# Altium PCB BreakOutBoard_Cyclone.PcbDoc (part 3 of 6)
Units mm, origin at the board's own origin, x right, y up, seen from the top; angles counter-clockwise.
Board outline 360 x 235.6 mm, 2 copper layers (Top Layer, Bottom Layer); 147 components, 204 nets, 2829 pads, 66 vias.
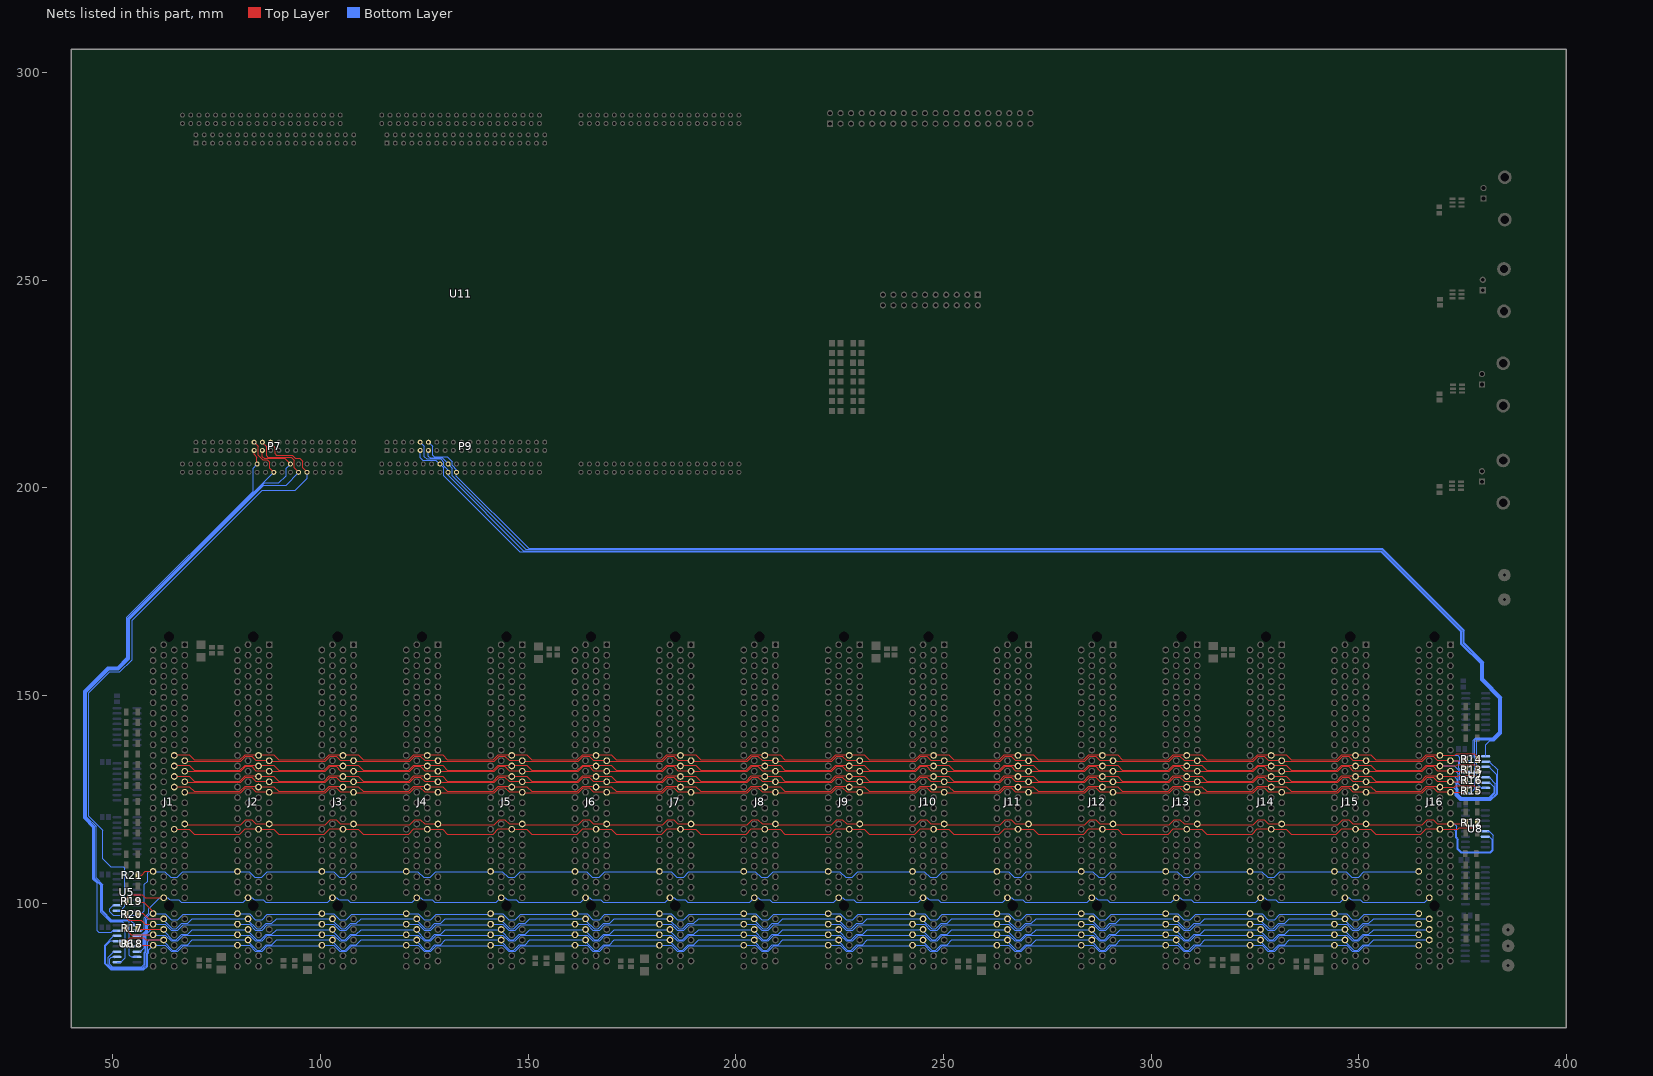
[diagram p3: the nets of this part, all layers, seen from the top]

## Via types
v1: diameter 0.6, hole 0.3, Top Layer to Bottom Layer, 50 vias
v2: diameter 5.5, hole 4.5, Top Layer to Bottom Layer, 15 vias
v3: diameter 1, hole 0.5, Top Layer to Bottom Layer, 1 vias

## Nets (pads, with @x,y where several pads share a name; then routed paths per layer and width w, separated by ;. In a path a pad name is that pad's centre, name@x,y a point inside that pad or via, vN(x,y) a via of type N, cw(c..) or ccw(c..) an arc to the next point about the centre after c; other vN are vias at no path point) (continued)
BUS11_N: J1.35 J2.35 J3.35 J4.35 J5.35 J6.35 J7.35 J8.35 J9.35 J10.35 J11.35 J12.35 J13.35 J14.35 J15.35 J16.35 R12.1 U8.6 | length 338.8
  Top Layer w0.127: J1.35@67.506,118.906 80.835,118.906 82.032,120.103 83.436,120.103 84.437,119.102 J2.35@87.63,119.102 ; J2.35@87.826,118.906 101.155,118.906 102.352,120.103 103.756,120.103 104.757,119.102 J3.35@107.95,119.102 ; J3.35@108.146,118.906 121.475,118.906 122.672,120.103 124.076,120.103 125.077,119.102 J4.35@128.27,119.102 ; J4.35@128.466,118.906 141.795,118.906 142.992,120.103 144.396,120.103 145.397,119.102 J5.35@148.59,119.102 ; J5.35@148.786,118.906 162.115,118.906 163.312,120.103 164.716,120.103 165.717,119.102 J6.35@168.91,119.102 ; J6.35@169.106,118.906 182.435,118.906 183.632,120.103 185.036,120.103 186.037,119.102 J7.35@189.23,119.102 ; J7.35@189.426,118.906 202.755,118.906 203.952,120.103 205.356,120.103 206.357,119.102 J8.35@209.55,119.102 ; J8.35@209.746,118.906 223.075,118.906 224.272,120.103 225.676,120.103 226.677,119.102 J9.35@229.87,119.102 ; J9.35@230.066,118.906 243.395,118.906 244.592,120.103 245.996,120.103 246.997,119.102 J10.35@250.19,119.102 ; J10.35@250.386,118.906 263.715,118.906 264.912,120.103 266.316,120.103 267.317,119.102 J11.35@270.51,119.102 ; J11.35@270.706,118.906 284.035,118.906 285.232,120.103 286.636,120.103 287.637,119.102 J12.35@290.83,119.102 ; J12.35@291.026,118.906 304.355,118.906 305.552,120.103 306.956,120.103 307.957,119.102 J13.35@311.15,119.102 ; J13.35@311.346,118.906 324.675,118.906 325.872,120.103 327.276,120.103 328.277,119.102 J14.35@331.47,119.102 ; J14.35@331.666,118.906 344.995,118.906 346.192,120.103 347.596,120.103 348.597,119.102 J15.35@351.79,119.102 ; J15.35@351.986,118.906 365.315,118.906 366.512,120.103 367.916,120.103 368.917,119.102 J16.35@372.11,119.102 ; J16.35@372.11,119.062 375.662,119.062 R12.1@375.9,119.3
  Bottom Layer w0.127: J16.35@372.11,119.062 373.03,119.062 373.592,118.5 373.592,115.808 374,115.4 374,113.1 374.7,112.4 381.7,112.4 382.192,112.892 382.192,115.208 U8.6@381.4,116
BUS11_P: J1.36 J2.36 J3.36 J4.36 J5.36 J6.36 J7.36 J8.36 J9.36 J10.36 J11.36 J12.36 J13.36 J14.36 J15.36 J16.36 R12.2 U8.5 | length 351.9
  Top Layer w0.127: J1.36@64.77,117.773 68.428,117.773 69.6,116.6 80.6,116.6 81.854,117.854 85.008,117.854 J2.36@85.032,117.83 ; J2.36@85.09,117.773 88.748,117.773 89.92,116.6 100.92,116.6 102.174,117.854 105.328,117.854 J3.36@105.352,117.83 ; J3.36@105.41,117.773 109.068,117.773 110.24,116.6 121.24,116.6 122.494,117.854 125.648,117.854 J4.36@125.672,117.83 ; J4.36@125.73,117.773 129.388,117.773 130.56,116.6 141.56,116.6 142.814,117.854 145.968,117.854 J5.36@145.992,117.83 ; J5.36@146.05,117.773 149.708,117.773 150.88,116.6 161.88,116.6 163.134,117.854 166.288,117.854 J6.36@166.312,117.83 ; J6.36@166.37,117.773 170.028,117.773 171.2,116.6 182.2,116.6 183.454,117.854 186.608,117.854 J7.36@186.632,117.83 ; J7.36@186.69,117.773 190.348,117.773 191.52,116.6 202.52,116.6 203.774,117.854 206.928,117.854 J8.36@206.952,117.83 ; J8.36@207.01,117.773 210.668,117.773 211.84,116.6 222.84,116.6 224.094,117.854 227.248,117.854 J9.36@227.272,117.83 ; J9.36@227.33,117.773 230.988,117.773 232.16,116.6 243.16,116.6 244.414,117.854 247.568,117.854 J10.36@247.592,117.83 ; J10.36@247.65,117.773 251.308,117.773 252.48,116.6 263.48,116.6 264.834,117.954 267.788,117.954 J11.36@267.912,117.83 ; J11.36@267.97,117.773 271.628,117.773 272.8,116.6 283.8,116.6 285.054,117.854 288.208,117.854 J12.36@288.232,117.83 ; J12.36@288.29,117.773 291.948,117.773 293.12,116.6 304.12,116.6 305.374,117.854 308.528,117.854 J13.36@308.552,117.83 ; J13.36@308.61,117.773 312.268,117.773 313.44,116.6 324.341,116.6 325.595,117.854 328.848,117.854 J14.36@328.872,117.83 ; J14.36@328.93,117.773 332.588,117.773 333.76,116.6 344.641,116.6 345.895,117.854 349.168,117.854 J15.36@349.192,117.83 ; J15.36@349.25,117.773 352.908,117.773 354.08,116.6 364.941,116.6 366.295,117.954 369.388,117.954 J16.36@369.512,117.83 ; J16.36@369.57,117.792 373.893,117.792 374.2,118.1 378,118.1 R12.2@378.6,118.7
  Bottom Layer w0.127: J16.36@369.57,117.792 372.907,117.792 373.338,117.362 373.338,115.703 373.746,115.295 373.746,112.995 374.595,112.146 381.805,112.146 382.446,112.787 382.446,116.354 381.5,117.3 U8.5@381,117.3
BUS12: P9.10 U7.9 U11.1B17 | length 321.7
  Bottom Layer w0.127: P9.10@124,211 125,210 125,207.5 125.546,206.954 128.946,206.954 129.7,206.2 129.7,205.3 130.75,204.25 U11.1B17@130.75,203.75 ; U11.1B17@130.76,203.74 130.76,203.01 148.86,184.91 355.446,184.91 374.89,165.466 374.89,162.496 379.608,157.778 379.608,153.761 384.008,149.361 384.008,141.171 382.421,139.584 378.305,139.584 378,139.279 378,127.5 376.955,126.455 U7.9@375.8,126.455
BUS12_N: J1.25 J2.25 J3.25 J4.25 J5.25 J6.25 J7.25 J8.25 J9.25 J10.25 J11.25 J12.25 J13.25 J14.25 J15.25 J16.25 R13.1 U7.10 | length 325.3
  Top Layer w0.127: J1.25@67.506,131.706 80.835,131.706 82.032,132.903 83.436,132.903 84.437,131.902 J2.25@87.63,131.902 ; J2.25@87.826,131.706 101.155,131.706 102.352,132.903 103.756,132.903 104.757,131.902 J3.25@107.95,131.902 ; J3.25@108.146,131.706 121.475,131.706 122.672,132.903 124.076,132.903 125.077,131.902 J4.25@128.27,131.902 ; J4.25@128.466,131.706 141.795,131.706 142.992,132.903 144.396,132.903 145.397,131.902 J5.25@148.59,131.902 ; J5.25@148.786,131.706 162.115,131.706 163.312,132.903 164.716,132.903 165.717,131.902 J6.25@168.91,131.902 ; J6.25@169.106,131.706 182.435,131.706 183.632,132.903 185.036,132.903 186.037,131.902 J7.25@189.23,131.902 ; J7.25@189.426,131.706 202.755,131.706 203.952,132.903 205.356,132.903 206.357,131.902 J8.25@209.55,131.902 ; J8.25@209.746,131.706 223.075,131.706 224.272,132.903 225.676,132.903 226.677,131.902 J9.25@229.87,131.902 ; J9.25@230.066,131.706 243.395,131.706 244.592,132.903 245.996,132.903 246.997,131.902 J10.25@250.19,131.902 ; J10.25@250.386,131.706 263.715,131.706 264.912,132.903 266.316,132.903 267.317,131.902 J11.25@270.51,131.902 ; J11.25@270.706,131.706 284.035,131.706 285.232,132.903 286.636,132.903 287.637,131.902 J12.25@290.83,131.902 ; J12.25@291.026,131.706 304.355,131.706 305.552,132.903 306.956,132.903 307.957,131.902 J13.25@311.15,131.902 ; J13.25@311.346,131.706 324.675,131.706 325.872,132.903 327.276,132.903 328.277,131.902 J14.25@331.47,131.902 ; J14.25@331.666,131.706 344.995,131.706 346.192,132.903 347.596,132.903 348.597,131.902 J15.25@351.79,131.902 ; J15.25@351.986,131.706 365.315,131.706 366.512,132.903 367.916,132.903 368.917,131.902 J16.25@372.11,131.902 ; J16.25@372.11,131.762 375.263,131.762 R13.1@375.6,132.1
  Bottom Layer w0.127: J16.25@372.11,131.762 373.337,131.762 374,131.1 374,128.7 U7.10@375.1,127.6
BUS12_P: J1.24 J2.24 J3.24 J4.24 J5.24 J6.24 J7.24 J8.24 J9.24 J10.24 J11.24 J12.24 J13.24 J14.24 J15.24 J16.24 R13.2 U7.11 | length 336.5
  Top Layer w0.127: J1.24@64.77,133.172 68.428,133.172 69.6,132 80.6,132 81.83,133.23 J2.24@85.032,133.23 ; J2.24@85.09,133.172 88.748,133.172 89.92,132 100.92,132 102.15,133.23 J3.24@105.352,133.23 ; J3.24@105.41,133.172 109.068,133.172 110.24,132 121.24,132 122.47,133.23 J4.24@125.672,133.23 ; J4.24@125.73,133.172 129.388,133.172 130.56,132 141.56,132 142.79,133.23 J5.24@145.992,133.23 ; J5.24@146.05,133.172 149.708,133.172 150.88,132 161.88,132 163.11,133.23 J6.24@166.312,133.23 ; J6.24@166.37,133.172 170.028,133.172 171.2,132 182.2,132 183.43,133.23 J7.24@186.632,133.23 ; J7.24@186.69,133.172 190.348,133.172 191.52,132 202.52,132 203.75,133.23 J8.24@206.952,133.23 ; J8.24@207.01,133.172 210.668,133.172 211.84,132 222.84,132 224.07,133.23 J9.24@227.272,133.23 ; J9.24@227.33,133.172 230.988,133.172 232.16,132 243.16,132 244.39,133.23 J10.24@247.592,133.23 ; J10.24@247.65,133.172 251.308,133.172 252.48,132 263.48,132 264.71,133.23 J11.24@267.912,133.23 ; J11.24@267.97,133.172 271.628,133.172 272.8,132 283.8,132 285.03,133.23 J12.24@288.232,133.23 ; J12.24@288.29,133.172 291.948,133.172 293.12,132 304.12,132 305.35,133.23 J13.24@308.552,133.23 ; J13.24@308.61,133.172 312.268,133.172 313.44,132 324.44,132 325.67,133.23 J14.24@328.872,133.23 ; J14.24@328.93,133.172 332.588,133.172 333.76,132 344.76,132 345.99,133.23 J15.24@349.192,133.23 ; J15.24@349.25,133.172 352.908,133.172 354.08,132 365.08,132 366.31,133.23 J16.24@369.512,133.23 ; J16.24@369.57,133.032 373.432,133.032 373.7,133.3 378.1,133.3 R13.2@378.6,132.8
  Bottom Layer w0.127: J16.24@369.57,133.032 373.068,133.032 374.3,131.8 374.3,129.7 U7.11@375,129
BUS13: P9.9 U7.15 U11.1B16 | length 312
  Bottom Layer w0.127: P9.9@124,209 124,207.3 124.6,206.7 127.8,206.7 U11.1B16@128.75,205.75 129.71,204.79 129.71,202.92 147.974,184.656 355.341,184.656 374.636,165.361 374.636,162.391 379.354,157.673 379.354,153.656 383.754,149.256 383.754,141.276 382.316,139.838 378.2,139.838 377.6,139.238 377.6,135.2 376.475,134.075 U7.15@375.8,134.075
BUS13_N: J1.22 J2.22 J3.22 J4.22 J5.22 J6.22 J7.22 J8.22 J9.22 J10.22 J11.22 J12.22 J13.22 J14.22 J15.22 J16.22 R14.1 U7.14 | length 335.8
  Top Layer w0.127: J1.22@64.77,135.672 68.428,135.672 69.6,134.5 80.6,134.5 81.83,135.73 J2.22@85.032,135.73 ; J2.22@85.09,135.672 88.748,135.672 89.92,134.5 100.92,134.5 102.15,135.73 J3.22@105.352,135.73 ; J3.22@105.41,135.672 109.068,135.672 110.24,134.5 121.24,134.5 122.47,135.73 J4.22@125.672,135.73 ; J4.22@125.73,135.672 129.388,135.672 130.56,134.5 141.56,134.5 142.79,135.73 J5.22@145.992,135.73 ; J5.22@146.05,135.672 149.708,135.672 150.88,134.5 161.88,134.5 163.11,135.73 J6.22@166.312,135.73 ; J6.22@166.37,135.672 170.028,135.672 171.2,134.5 182.2,134.5 183.43,135.73 J7.22@186.632,135.73 ; J7.22@186.69,135.672 190.348,135.672 191.52,134.5 202.52,134.5 203.75,135.73 J8.22@206.952,135.73 ; J8.22@207.01,135.672 210.668,135.672 211.84,134.5 222.84,134.5 224.07,135.73 J9.22@227.272,135.73 ; J9.22@227.33,135.672 230.988,135.672 232.16,134.5 243.16,134.5 244.39,135.73 J10.22@247.592,135.73 ; J10.22@247.65,135.672 251.308,135.672 252.48,134.5 263.48,134.5 264.71,135.73 J11.22@267.912,135.73 ; J11.22@267.97,135.672 271.628,135.672 272.8,134.5 283.8,134.5 285.03,135.73 J12.22@288.232,135.73 ; J12.22@288.29,135.672 291.948,135.672 293.12,134.5 304.12,134.5 305.35,135.73 J13.22@308.552,135.73 ; J13.22@308.61,135.672 312.268,135.672 313.44,134.5 324.44,134.5 325.67,135.73 J14.22@328.872,135.73 ; J14.22@328.93,135.672 332.588,135.672 333.76,134.5 344.76,134.5 345.99,135.73 J15.22@349.192,135.73 ; J15.22@349.25,135.672 352.908,135.672 354.08,134.5 365.08,134.5 366.31,135.73 J16.22@369.512,135.73 ; J16.22@369.57,135.572 373.172,135.572 373.6,136 377.9,136 R14.1@378.6,135.3
  Bottom Layer w0.127: J16.22@369.57,135.572 373.827,135.572 374.4,135 374.4,133.5 U7.14@375,132.9
BUS13_P: J1.23 J2.23 J3.23 J4.23 J5.23 J6.23 J7.23 J8.23 J9.23 J10.23 J11.23 J12.23 J13.23 J14.23 J15.23 J16.23 R14.2 U7.13 | length 324.3
  Top Layer w0.127: J1.23@67.506,134.206 80.835,134.206 82.032,135.403 83.436,135.403 84.437,134.402 J2.23@87.63,134.402 ; J2.23@87.826,134.206 101.155,134.206 102.352,135.403 103.756,135.403 104.757,134.402 J3.23@107.95,134.402 ; J3.23@108.146,134.206 121.475,134.206 122.672,135.403 124.076,135.403 125.077,134.402 J4.23@128.27,134.402 ; J4.23@128.466,134.206 141.795,134.206 142.992,135.403 144.396,135.403 145.397,134.402 J5.23@148.59,134.402 ; J5.23@148.786,134.206 162.115,134.206 163.312,135.403 164.716,135.403 165.717,134.402 J6.23@168.91,134.402 ; J6.23@169.106,134.206 182.435,134.206 183.632,135.403 185.036,135.403 186.037,134.402 J7.23@189.23,134.402 ; J7.23@189.426,134.206 202.755,134.206 203.952,135.403 205.356,135.403 206.357,134.402 J8.23@209.55,134.402 ; J8.23@209.746,134.206 223.075,134.206 224.272,135.403 225.676,135.403 226.677,134.402 J9.23@229.87,134.402 ; J9.23@230.066,134.206 243.395,134.206 244.592,135.403 245.996,135.403 246.997,134.402 J10.23@250.19,134.402 ; J10.23@250.386,134.206 263.715,134.206 264.912,135.403 266.316,135.403 267.317,134.402 J11.23@270.51,134.402 ; J11.23@270.706,134.206 284.035,134.206 285.232,135.403 286.636,135.403 287.637,134.402 J12.23@290.83,134.402 ; J12.23@291.026,134.206 304.355,134.206 305.552,135.403 306.956,135.403 307.957,134.402 J13.23@311.15,134.402 ; J13.23@311.346,134.206 324.675,134.206 325.872,135.403 327.276,135.403 328.277,134.402 J14.23@331.47,134.402 ; J14.23@331.666,134.206 344.995,134.206 346.192,135.403 347.596,135.403 348.597,134.402 J15.23@351.79,134.402 ; J15.23@351.986,134.206 365.315,134.206 366.512,135.403 367.916,135.403 368.917,134.402 J16.23@372.11,134.402 ; J16.23@372.11,134.302 375.303,134.302 R14.2@375.7,134.7
  Bottom Layer w0.127: J16.23@372.11,134.302 373.844,134.302 374.146,134 374.146,132.454 U7.13@375.1,131.5
BUS14: P9.12 U7.1 U11.1B19 | length 307.2
  Bottom Layer w0.127: P9.12@126,211 127,210 127,207.9 127.438,207.462 130.538,207.462 131.7,206.3 131.7,205.4 132.75,204.35 U11.1B19@132.75,203.75 ; U11.1B19@132.73,203.73 132.73,202.84 150.152,185.418 355.656,185.418 375.398,165.676 375.398,162.706 380.116,157.988 380.116,153.972 384.516,149.572 384.516,140.961 382.631,139.076 381.576,139.076 380.6,138.1 U7.1@380.6,135.345
BUS14_N: J1.29 J2.29 J3.29 J4.29 J5.29 J6.29 J7.29 J8.29 J9.29 J10.29 J11.29 J12.29 J13.29 J14.29 J15.29 J16.29 R15.1 U7.2 | length 340.8
  Top Layer w0.127: J1.29@67.506,126.606 80.835,126.606 82.032,127.803 83.436,127.803 84.437,126.802 J2.29@87.63,126.802 ; J2.29@87.826,126.606 101.155,126.606 102.352,127.803 103.756,127.803 104.757,126.802 J3.29@107.95,126.802 ; J3.29@108.146,126.606 121.475,126.606 122.672,127.803 124.076,127.803 125.077,126.802 J4.29@128.27,126.802 ; J4.29@128.466,126.606 141.795,126.606 142.992,127.803 144.396,127.803 145.397,126.802 J5.29@148.59,126.802 ; J5.29@148.786,126.606 162.115,126.606 163.312,127.803 164.716,127.803 165.717,126.802 J6.29@168.91,126.802 ; J6.29@169.106,126.606 182.435,126.606 183.632,127.803 185.036,127.803 186.037,126.802 J7.29@189.23,126.802 ; J7.29@189.426,126.606 202.755,126.606 203.952,127.803 205.356,127.803 206.357,126.802 J8.29@209.55,126.802 ; J8.29@209.746,126.606 223.075,126.606 224.272,127.803 225.676,127.803 226.677,126.802 J9.29@229.87,126.802 ; J9.29@230.066,126.606 243.395,126.606 244.592,127.803 245.996,127.803 246.997,126.802 J10.29@250.19,126.802 ; J10.29@250.386,126.606 263.715,126.606 264.912,127.803 266.316,127.803 267.317,126.802 J11.29@270.51,126.802 ; J11.29@270.706,126.606 284.035,126.606 285.232,127.803 286.636,127.803 287.637,126.802 J12.29@290.83,126.802 ; J12.29@291.026,126.606 304.355,126.606 305.552,127.803 306.956,127.803 307.957,126.802 J13.29@311.15,126.802 ; J13.29@311.346,126.606 324.675,126.606 325.872,127.803 327.276,127.803 328.277,126.802 J14.29@331.47,126.802 ; J14.29@331.666,126.606 344.995,126.606 346.192,127.803 347.596,127.803 348.597,126.802 J15.29@351.79,126.802 ; J15.29@351.986,126.606 365.315,126.606 366.512,127.803 367.916,127.803 368.917,126.802 J16.29@372.11,126.802 ; J16.29@372.11,126.682 375.383,126.682 R15.1@375.7,127
  Bottom Layer w0.127: J16.29@372.11,126.682 372.84,126.682 373.238,126.284 373.238,125.884 374.384,124.738 381.816,124.738 383.462,126.384 383.462,132.138 U7.2@381.5,134.1
BUS14_P: J1.28 J2.28 J3.28 J4.28 J5.28 J6.28 J7.28 J8.28 J9.28 J10.28 J11.28 J12.28 J13.28 J14.28 J15.28 J16.28 R15.2 U7.3 | length 351.6
  Top Layer w0.127: J1.28@64.77,128.072 68.428,128.072 69.6,126.9 80.6,126.9 81.83,128.13 J2.28@85.032,128.13 ; J2.28@85.09,128.072 88.748,128.072 89.92,126.9 100.92,126.9 102.15,128.13 J3.28@105.352,128.13 ; J3.28@105.41,128.072 109.068,128.072 110.24,126.9 121.24,126.9 122.47,128.13 J4.28@125.672,128.13 ; J4.28@125.73,128.072 129.388,128.072 130.56,126.9 141.56,126.9 142.79,128.13 J5.28@145.992,128.13 ; J5.28@146.05,128.072 149.708,128.072 150.88,126.9 161.88,126.9 163.11,128.13 J6.28@166.312,128.13 ; J6.28@166.37,128.072 170.028,128.072 171.2,126.9 182.2,126.9 183.43,128.13 J7.28@186.632,128.13 ; J7.28@186.69,128.072 190.348,128.072 191.52,126.9 202.52,126.9 203.75,128.13 J8.28@206.952,128.13 ; J8.28@207.01,128.072 210.668,128.072 211.84,126.9 222.84,126.9 224.07,128.13 J9.28@227.272,128.13 ; J9.28@227.33,128.072 230.988,128.072 232.16,126.9 243.16,126.9 244.39,128.13 J10.28@247.592,128.13 ; J10.28@247.65,128.072 251.308,128.072 252.48,126.9 263.48,126.9 264.71,128.13 J11.28@267.912,128.13 ; J11.28@267.97,128.072 271.628,128.072 272.8,126.9 283.8,126.9 285.03,128.13 J12.28@288.232,128.13 ; J12.28@288.29,128.072 291.948,128.072 293.12,126.9 304.12,126.9 305.35,128.13 J13.28@308.552,128.13 ; J13.28@308.61,128.072 312.268,128.072 313.44,126.9 324.44,126.9 325.67,128.13 J14.28@328.872,128.13 ; J14.28@328.93,128.072 332.588,128.072 333.76,126.9 344.76,126.9 345.99,128.13 J15.28@349.192,128.13 ; J15.28@349.25,128.072 352.908,128.072 354.08,126.9 365.08,126.9 366.31,128.13 J16.28@369.512,128.13 ; J16.28@369.57,127.953 373.053,127.953 373.4,128.3 377.9,128.3 R15.2@378.6,127.6
  Bottom Layer w0.127: J16.28@369.57,127.953 372.748,127.953 373.238,127.462 373.238,127.444 373.492,127.19 373.492,125.99 374.49,124.992 381.71,124.992 383.208,126.49 383.208,130.892 U7.3@381.3,132.8
BUS15: P9.11 U7.7 U11.1B18 | length 317
  Bottom Layer w0.127: P9.11@126,209 126,207.6 126.392,207.208 129.292,207.208 U11.1B18@130.75,205.75 ; U11.1B18@130.74,205.75 131.73,204.76 131.73,202.87 149.436,185.164 355.551,185.164 375.144,165.571 375.144,162.601 379.862,157.883 379.862,153.866 384.262,149.466 384.262,141.066 382.526,139.33 378.5,139.33 378.4,139.23 378.4,128.9 379.575,127.725 U7.7@380.6,127.725
BUS15_N: J1.26 J2.26 J3.26 J4.26 J5.26 J6.26 J7.26 J8.26 J9.26 J10.26 J11.26 J12.26 J13.26 J14.26 J15.26 J16.26 R16.1 U7.6 | length 348.8
  Top Layer w0.127: J1.26@64.77,130.572 68.428,130.572 69.6,129.4 80.6,129.4 81.83,130.63 J2.26@85.032,130.63 ; J2.26@85.09,130.572 88.748,130.572 89.92,129.4 100.92,129.4 102.15,130.63 J3.26@105.352,130.63 ; J3.26@105.41,130.572 109.068,130.572 110.24,129.4 121.24,129.4 122.47,130.63 J4.26@125.672,130.63 ; J4.26@125.73,130.572 129.388,130.572 130.56,129.4 141.56,129.4 142.79,130.63 J5.26@145.992,130.63 ; J5.26@146.05,130.572 149.708,130.572 150.88,129.4 161.88,129.4 163.11,130.63 J6.26@166.312,130.63 ; J6.26@166.37,130.572 170.028,130.572 171.2,129.4 182.2,129.4 183.43,130.63 J7.26@186.632,130.63 ; J7.26@186.69,130.572 190.348,130.572 191.52,129.4 202.52,129.4 203.75,130.63 J8.26@206.952,130.63 ; J8.26@207.01,130.572 210.668,130.572 211.84,129.4 222.84,129.4 224.07,130.63 J9.26@227.272,130.63 ; J9.26@227.33,130.572 230.988,130.572 232.16,129.4 243.16,129.4 244.39,130.63 J10.26@247.592,130.63 ; J10.26@247.65,130.572 251.308,130.572 252.48,129.4 263.48,129.4 264.71,130.63 J11.26@267.912,130.63 ; J11.26@267.97,130.572 271.628,130.572 272.8,129.4 283.8,129.4 285.03,130.63 J12.26@288.232,130.63 ; J12.26@288.29,130.572 291.948,130.572 293.12,129.4 304.12,129.4 305.35,130.63 J13.26@308.552,130.63 ; J13.26@308.61,130.572 312.268,130.572 313.44,129.4 324.44,129.4 325.67,130.63 J14.26@328.872,130.63 ; J14.26@328.93,130.572 332.588,130.572 333.76,129.4 344.76,129.4 345.99,130.63 J15.26@349.192,130.63 ; J15.26@349.25,130.572 352.908,130.572 354.08,129.4 365.08,129.4 366.31,130.63 J16.26@369.512,130.63 ; J16.26@369.57,130.493 373.993,130.493 374.3,130.8 378.1,130.8 R16.1@378.6,130.3
  Bottom Layer w0.127: J16.26@369.57,130.493 373.007,130.493 373.746,129.754 373.746,127.654 374,127.4 374,126.2 374.7,125.5 381.5,125.5 382.7,126.7 382.7,127.9 U7.6@381.5,129.1
BUS15_P: J1.27 J2.27 J3.27 J4.27 J5.27 J6.27 J7.27 J8.27 J9.27 J10.27 J11.27 J12.27 J13.27 J14.27 J15.27 J16.27 R16.2 U7.5 | length 338
  Top Layer w0.127: J1.27@67.506,129.106 80.835,129.106 82.032,130.303 83.436,130.303 84.437,129.302 J2.27@87.63,129.302 ; J2.27@87.826,129.106 101.155,129.106 102.352,130.303 103.756,130.303 104.757,129.302 J3.27@107.95,129.302 ; J3.27@108.146,129.106 121.475,129.106 122.672,130.303 124.076,130.303 125.077,129.302 J4.27@128.27,129.302 ; J4.27@128.466,129.106 141.795,129.106 142.992,130.303 144.396,130.303 145.397,129.302 J5.27@148.59,129.302 ; J5.27@148.786,129.106 162.115,129.106 163.312,130.303 164.716,130.303 165.717,129.302 J6.27@168.91,129.302 ; J6.27@169.106,129.106 182.435,129.106 183.632,130.303 185.036,130.303 186.037,129.302 J7.27@189.23,129.302 ; J7.27@189.426,129.106 202.755,129.106 203.952,130.303 205.356,130.303 206.357,129.302 J8.27@209.55,129.302 ; J8.27@209.746,129.106 223.075,129.106 224.272,130.303 225.676,130.303 226.677,129.302 J9.27@229.87,129.302 ; J9.27@230.066,129.106 243.395,129.106 244.592,130.303 245.996,130.303 246.997,129.302 J10.27@250.19,129.302 ; J10.27@250.386,129.106 263.715,129.106 264.912,130.303 266.316,130.303 267.317,129.302 J11.27@270.51,129.302 ; J11.27@270.706,129.106 284.035,129.106 285.232,130.303 286.636,130.303 287.637,129.302 J12.27@290.83,129.302 ; J12.27@291.026,129.106 304.355,129.106 305.552,130.303 306.956,130.303 307.957,129.302 J13.27@311.15,129.302 ; J13.27@311.346,129.106 324.675,129.106 325.872,130.303 327.276,130.303 328.277,129.302 J14.27@331.47,129.302 ; J14.27@331.666,129.106 344.995,129.106 346.192,130.303 347.596,130.303 348.597,129.302 J15.27@351.79,129.302 ; J15.27@351.986,129.106 365.315,129.106 366.512,130.303 367.916,130.303 368.917,129.302 J16.27@372.11,129.302 ; J16.27@372.11,129.222 375.423,129.222 R16.2@375.7,129.5
  Bottom Layer w0.127: J16.27@372.11,129.222 373.069,129.222 373.492,128.8 373.492,127.549 373.746,127.295 373.746,126.095 374.595,125.246 381.605,125.246 382.954,126.595 382.954,128.746 U7.5@381.4,130.3
BUS16: P7.16 U6.9 U11.1A23 | length 155.3
  Top Layer w0.127: P7.16@84,211 85,210 85,207.9 86.1,206.8 87.2,206.8 87.8,206.2 87.8,204.7 U11.1A23@88.8,203.7
  Bottom Layer w0.127: U6.9@51,85.755 51.914,85.755 53,86.841 53,94.8 52.3,95.5 49.4,95.5 47.074,97.826 47.074,104.249 45.438,105.884 45.438,118.248 43.21,120.476 43.21,151.021 48.867,156.678 51.249,156.678 53.614,159.043 53.614,168.614 U11.1A23@88.75,203.75
BUS16_N: J1.113 J2.113 J3.113 J4.113 J5.113 J6.113 J7.113 J8.113 J9.113 J10.113 J11.113 J12.113 J13.113 J14.113 J15.113 J16.113 R17.1 U6.10 | length 367.9
  Top Layer w0.127: R17.1@56,94.1 56.437,93.662 J1.113@62.23,93.662
  Bottom Layer w0.127: 50,84.7 50.1,84.7 ; U6.10@50.3,86.8 50.1,87 49.6,87 49.2,86.6 49.2,85.3 49.8,84.7 50.1,84.7 ; J1.113@62.2,93.6 62.2,93.3 64.3,91.2 65.3,91.2 66.6,92.5 68,92.5 69.123,93.623 J2.113@82.55,93.623 ; J1.113@62.23,93.662 59.263,93.662 57.834,92.234 57.834,88.434 57.6,88.2 57.6,85.3 57,84.7 50.1,84.7 ; J2.113@82.52,93.6 82.52,93.3 84.62,91.2 85.62,91.2 86.92,92.5 88.32,92.5 89.443,93.623 J3.113@102.87,93.623 ; J3.113@102.84,93.6 102.84,93.3 104.94,91.2 105.94,91.2 107.24,92.5 108.64,92.5 109.763,93.623 J4.113@123.19,93.623 ; J4.113@123.16,93.6 123.16,93.3 125.26,91.2 126.26,91.2 127.56,92.5 128.96,92.5 130.083,93.623 J5.113@143.51,93.623 ; J5.113@143.48,93.6 143.48,93.3 145.58,91.2 146.58,91.2 147.88,92.5 149.28,92.5 150.403,93.623 J6.113@163.83,93.623 ; J6.113@163.8,93.6 163.8,93.3 165.9,91.2 166.9,91.2 168.2,92.5 169.6,92.5 170.723,93.623 J7.113@184.15,93.623 ; J7.113@184.12,93.6 184.12,93.3 186.22,91.2 187.22,91.2 188.52,92.5 189.92,92.5 191.043,93.623 J8.113@204.47,93.623 ; J8.113@204.44,93.6 204.44,93.3 206.54,91.2 207.54,91.2 208.84,92.5 210.24,92.5 211.363,93.623 J9.113@224.79,93.623 ; J9.113@224.76,93.6 224.76,93.3 226.86,91.2 227.86,91.2 229.16,92.5 230.56,92.5 231.683,93.623 J10.113@245.11,93.623 ; J10.113@245.08,93.6 245.08,93.3 247.18,91.2 248.18,91.2 249.48,92.5 250.88,92.5 252.003,93.623 J11.113@265.43,93.623 ; J11.113@265.4,93.6 265.4,93.3 267.5,91.2 268.5,91.2 269.8,92.5 271.2,92.5 272.323,93.623 J12.113@285.75,93.623 ; J12.113@285.72,93.6 285.72,93.3 287.82,91.2 288.82,91.2 290.12,92.5 291.52,92.5 292.643,93.623 J13.113@306.07,93.623 ; J13.113@306.04,93.6 306.04,93.3 308.14,91.2 309.14,91.2 310.44,92.5 311.84,92.5 312.963,93.623 J14.113@326.39,93.623 ; J14.113@326.36,93.6 326.36,93.3 328.46,91.2 329.46,91.2 330.76,92.5 332.16,92.5 333.283,93.623 J15.113@346.71,93.623 ; J15.113@346.68,93.6 346.68,93.3 348.78,91.2 349.78,91.2 351.08,92.5 352.48,92.5 353.603,93.623 J16.113@367.03,93.623
BUS16_P: J1.114 J2.114 J3.114 J4.114 J5.114 J6.114 J7.114 J8.114 J9.114 J10.114 J11.114 J12.114 J13.114 J14.114 J15.114 J16.114 R17.2 U6.11 | length 351.4
  Top Layer w0.127: R17.2@53.2,93.6 54.408,92.392 J1.114@59.69,92.392
  Bottom Layer w0.127: U6.11@50.2,88.3 48.9,87 48.9,85.2 49.7,84.4 57.2,84.4 57.854,85.054 57.854,88 58.088,88.234 58.088,92.088 58.392,92.392 J1.114@59.69,92.392 ; J1.114@59.7,92.3 62.6,92.3 64,90.9 65.6,90.9 66.9,92.2 79.858,92.2 J2.114@80.01,92.353 ; J2.114@80.02,92.3 82.92,92.3 84.32,90.9 85.92,90.9 87.22,92.2 100.178,92.2 J3.114@100.33,92.353 ; J3.114@100.34,92.3 103.24,92.3 104.64,90.9 106.24,90.9 107.54,92.2 120.498,92.2 J4.114@120.65,92.353 ; J4.114@120.66,92.3 123.56,92.3 124.96,90.9 126.56,90.9 127.86,92.2 140.818,92.2 J5.114@140.97,92.353 ; J5.114@140.98,92.3 143.88,92.3 145.28,90.9 146.88,90.9 148.18,92.2 161.138,92.2 J6.114@161.29,92.353 ; J6.114@161.3,92.3 164.2,92.3 165.6,90.9 167.2,90.9 168.5,92.2 181.458,92.2 J7.114@181.61,92.353 ; J7.114@181.62,92.3 184.52,92.3 185.92,90.9 187.52,90.9 188.82,92.2 201.778,92.2 J8.114@201.93,92.353 ; J8.114@201.94,92.3 204.84,92.3 206.24,90.9 207.84,90.9 209.14,92.2 222.098,92.2 J9.114@222.25,92.353 ; J9.114@222.26,92.3 225.16,92.3 226.56,90.9 228.16,90.9 229.46,92.2 242.418,92.2 J10.114@242.57,92.353 ; J10.114@242.58,92.3 245.48,92.3 246.88,90.9 248.48,90.9 249.78,92.2 262.738,92.2 J11.114@262.89,92.353 ; J11.114@262.9,92.3 265.8,92.3 267.2,90.9 268.8,90.9 270.1,92.2 283.058,92.2 J12.114@283.21,92.353 ; J12.114@283.22,92.3 286.12,92.3 287.52,90.9 289.12,90.9 290.42,92.2 303.378,92.2 J13.114@303.53,92.353 ; J13.114@303.54,92.3 306.44,92.3 307.84,90.9 309.44,90.9 310.74,92.2 323.698,92.2 J14.114@323.85,92.353 ; J14.114@323.86,92.3 326.76,92.3 328.16,90.9 329.76,90.9 331.06,92.2 344.018,92.2 J15.114@344.17,92.353 ; J15.114@344.18,92.3 347.08,92.3 348.48,90.9 350.08,90.9 351.38,92.2 364.338,92.2 J16.114@364.49,92.353
BUS17: P7.15 U6.15 U11.1A20 | length 141.1
  Top Layer w0.127: P7.15@84,209 84,208.1 84.7,207.4 U11.1A20@84.7,205.7
  Bottom Layer w0.127: U6.15@51,93.375 49.975,93.375 49.6,93 46.6,93 46.2,93.4 46.2,104.763 45.184,105.779 45.184,118.142 42.93,120.396 42.93,151.1 48.762,156.932 51.143,156.932 53.36,159.148 53.36,168.79 83.75,199.18 83.75,204.76 U11.1A20@84.74,205.75
BUS17_N: J1.116 J2.116 J3.116 J4.116 J5.116 J6.116 J7.116 J8.116 J9.116 J10.116 J11.116 J12.116 J13.116 J14.116 J15.116 J16.116 R18.1 U6.14 | length 350.7
  Top Layer w0.127: R18.1@56.1,90.2 56.447,89.852 J1.116@59.69,89.852
  Bottom Layer w0.127: U6.14@50.2,92.1 48,89.9 48,85.382 49.49,83.892 57.41,83.892 58.362,84.844 58.362,87.762 58.596,87.996 58.596,88.758 J1.116@59.69,89.852 ; J1.116@59.7,89.8 62.6,89.8 64,88.4 65.6,88.4 66.9,89.7 79.858,89.7 J2.116@80.01,89.852 ; J2.116@80.02,89.8 82.92,89.8 84.32,88.4 85.92,88.4 87.22,89.7 100.178,89.7 J3.116@100.33,89.852 ; J3.116@100.34,89.8 103.24,89.8 104.64,88.4 106.24,88.4 107.54,89.7 120.498,89.7 J4.116@120.65,89.852 ; J4.116@120.66,89.8 123.56,89.8 124.96,88.4 126.56,88.4 127.86,89.7 140.818,89.7 J5.116@140.97,89.852 ; J5.116@140.98,89.8 143.88,89.8 145.28,88.4 146.88,88.4 148.18,89.7 161.138,89.7 J6.116@161.29,89.852 ; J6.116@161.3,89.8 164.2,89.8 165.6,88.4 167.2,88.4 168.5,89.7 181.458,89.7 J7.116@181.61,89.852 ; J7.116@181.62,89.8 184.52,89.8 185.92,88.4 187.52,88.4 188.82,89.7 201.778,89.7 J8.116@201.93,89.852 ; J8.116@201.94,89.8 204.84,89.8 206.24,88.4 207.84,88.4 209.14,89.7 222.098,89.7 J9.116@222.25,89.852 ; J9.116@222.26,89.8 225.16,89.8 226.56,88.4 228.16,88.4 229.46,89.7 242.418,89.7 J10.116@242.57,89.852 ; J10.116@242.58,89.8 245.48,89.8 246.88,88.4 248.48,88.4 249.78,89.7 262.738,89.7 J11.116@262.89,89.852 ; J11.116@262.9,89.8 265.8,89.8 267.2,88.4 268.8,88.4 270.1,89.7 283.058,89.7 J12.116@283.21,89.852 ; J12.116@283.22,89.8 286.12,89.8 287.52,88.4 289.12,88.4 290.42,89.7 303.378,89.7 J13.116@303.53,89.852 ; J13.116@303.54,89.8 306.44,89.8 307.84,88.4 309.44,88.4 310.74,89.7 323.698,89.7 J14.116@323.85,89.852 ; J14.116@323.86,89.8 326.76,89.8 328.16,88.4 329.76,88.4 331.06,89.7 344.018,89.7 J15.116@344.17,89.852 ; J15.116@344.18,89.8 347.08,89.8 348.48,88.4 350.08,88.4 351.38,89.7 364.338,89.7 J16.116@364.49,89.852
BUS17_P: J1.115 J2.115 J3.115 J4.115 J5.115 J6.115 J7.115 J8.115 J9.115 J10.115 J11.115 J12.115 J13.115 J14.115 J15.115 J16.115 R18.2 U6.13 | length 374.6
  Top Layer w0.127: R18.2@53.2,90.7 54.1,91.6 57.4,91.6 57.877,91.123 J1.115@62.23,91.123
  Bottom Layer w0.127: U6.13@50.1,90.9 49.5,90.9 48.3,89.7 48.3,85.441 49.595,84.146 57.305,84.146 58.108,84.949 58.108,87.895 58.342,88.128 58.342,90.7 58.764,91.123 J1.115@62.23,91.123 ; J1.115@62.2,91.1 62.2,90.8 64.3,88.7 65.3,88.7 66.6,90 68,90 69.123,91.123 J2.115@82.55,91.123 ; J2.115@82.52,91.1 82.52,90.8 84.62,88.7 85.62,88.7 86.92,90 88.32,90 89.443,91.123 J3.115@102.87,91.123 ; J3.115@102.84,91.1 102.84,90.8 104.94,88.7 105.94,88.7 107.24,90 108.64,90 109.763,91.123 J4.115@123.19,91.123 ; J4.115@123.16,91.1 123.16,90.8 125.26,88.7 126.26,88.7 127.56,90 128.96,90 130.083,91.123 J5.115@143.51,91.123 ; J5.115@143.48,91.1 143.48,90.8 145.58,88.7 146.58,88.7 147.88,90 149.28,90 150.403,91.123 J6.115@163.83,91.123 ; J6.115@163.8,91.1 163.8,90.8 165.9,88.7 166.9,88.7 168.2,90 169.6,90 170.723,91.123 J7.115@184.15,91.123 ; J7.115@184.12,91.1 184.12,90.8 186.22,88.7 187.22,88.7 188.52,90 189.92,90 191.043,91.123 J8.115@204.47,91.123 ; J8.115@204.44,91.1 204.44,90.8 206.54,88.7 207.54,88.7 208.84,90 210.24,90 211.363,91.123 J9.115@224.79,91.123 ; J9.115@224.76,91.1 224.76,90.8 226.86,88.7 227.86,88.7 229.16,90 230.56,90 231.683,91.123 J10.115@245.11,91.123 ; J10.115@245.08,91.1 245.08,90.8 247.18,88.7 248.18,88.7 249.48,90 250.88,90 252.003,91.123 J11.115@265.43,91.123 ; J11.115@265.4,91.1 265.4,90.8 267.5,88.7 268.5,88.7 269.8,90 271.2,90 272.323,91.123 J12.115@285.75,91.123 ; J12.115@285.72,91.1 285.72,90.8 287.82,88.7 288.82,88.7 290.12,90 291.52,90 292.643,91.123 J13.115@306.07,91.123 ; J13.115@306.04,91.1 306.04,90.8 308.14,88.7 309.14,88.7 310.44,90 311.84,90 312.963,91.123 J14.115@326.39,91.123 ; J14.115@326.36,91.1 326.36,90.8 328.46,88.7 329.46,88.7 330.76,90 332.16,90 333.283,91.123 J15.115@346.71,91.123 ; J15.115@346.68,91.1 346.68,90.8 348.78,88.7 349.78,88.7 351.08,90 352.48,90 353.603,91.123 J16.115@367.03,91.123
BUS18: P7.18 U6.1 U11.1A29 | length 156.7
  Top Layer w0.127: P7.18@85.9,211 87,209.9 87,207.7 87.346,207.354 92.946,207.354 93.7,206.6 93.7,204.8 U11.1A29@94.75,203.75
  Bottom Layer w0.127: U6.1@55.8,94.645 55.493,94.645 54.1,96.038 49.644,96.038 47.582,98.1 47.582,104.459 45.946,106.095 45.946,118.458 43.72,120.684 43.72,150.812 49.078,156.17 51.459,156.17 54.122,158.833 54.122,168.363 86.379,200.62 91.7,200.62 U11.1A29@94.78,203.7
BUS18_N: J1.109 J2.109 J3.109 J4.109 J5.109 J6.109 J7.109 J8.109 J9.109 J10.109 J11.109 J12.109 J13.109 J14.109 J15.109 J16.109 R19.1 U6.2 | length 338.3
  Top Layer w0.127: R19.1@53.3,101 53.3,101.3 54,102 57.1,102 57.817,101.282 J1.109@62.23,101.282
  Bottom Layer w0.127: U6.2@56.8,93.2 57.6,94 57.6,96.5 58.624,97.524 58.624,98.624 61.282,101.282 J1.109@62.23,101.282 63.217,101.282 63.7,100.8 65.9,100.8 66.5,100.2 81.4,100.2 J2.109@82.5,101.3 ; J2.109@82.55,101.282 83.537,101.282 84.02,100.8 86.22,100.8 86.82,100.2 101.72,100.2 J3.109@102.82,101.3 ; J3.109@102.87,101.282 103.857,101.282 104.34,100.8 106.54,100.8 107.14,100.2 122.04,100.2 J4.109@123.14,101.3 ; J4.109@123.19,101.282 124.177,101.282 124.66,100.8 126.86,100.8 127.46,100.2 142.36,100.2 J5.109@143.46,101.3 ; J5.109@143.51,101.282 144.497,101.282 144.98,100.8 147.18,100.8 147.78,100.2 162.68,100.2 J6.109@163.78,101.3 ; J6.109@163.83,101.282 164.817,101.282 165.3,100.8 167.5,100.8 168.1,100.2 183,100.2 J7.109@184.1,101.3 ; J7.109@184.15,101.282 185.137,101.282 185.62,100.8 187.82,100.8 188.42,100.2 203.32,100.2 J8.109@204.42,101.3 ; J8.109@204.47,101.282 205.457,101.282 205.94,100.8 208.14,100.8 208.74,100.2 223.64,100.2 J9.109@224.74,101.3 ; J9.109@224.79,101.282 225.777,101.282 226.26,100.8 228.46,100.8 229.06,100.2 243.96,100.2 J10.109@245.06,101.3 ; J10.109@245.11,101.282 246.097,101.282 246.58,100.8 248.78,100.8 249.38,100.2 264.28,100.2 J11.109@265.38,101.3 ; J11.109@265.43,101.282 266.417,101.282 266.9,100.8 269.1,100.8 269.7,100.2 284.6,100.2 J12.109@285.7,101.3 ; J12.109@285.75,101.282 286.737,101.282 287.22,100.8 289.42,100.8 290.02,100.2 304.92,100.2 J13.109@306.02,101.3 ; J13.109@306.07,101.282 307.057,101.282 307.54,100.8 309.74,100.8 310.34,100.2 325.24,100.2 J14.109@326.34,101.3 ; J14.109@326.39,101.282 327.377,101.282 327.86,100.8 330.06,100.8 330.66,100.2 345.56,100.2 J15.109@346.66,101.3 ; J15.109@346.71,101.282 347.697,101.282 348.18,100.8 350.38,100.8 350.98,100.2 365.88,100.2 J16.109@366.98,101.3
BUS18_P: J1.110 J2.110 J3.110 J4.110 J5.110 J6.110 J7.110 J8.110 J9.110 J10.110 J11.110 J12.110 J13.110 J14.110 J15.110 J16.110 R19.2 U6.3 | length 334.6
  Top Layer w0.127: R19.2@56,100.2 57.4,100.2 59.69,97.91 J1.110@59.69,97.472
  Bottom Layer w0.127: U6.3@56.5,92 57.9,93.4 57.9,96.346 59.026,97.472 J1.110@59.69,97.472 ; J1.110@59.7,97.4 62.6,97.4 64,96 65.6,96 66.9,97.3 79.858,97.3 J2.110@80.01,97.453 ; J2.110@80.02,97.4 82.92,97.4 84.32,96 85.92,96 87.22,97.3 100.178,97.3 J3.110@100.33,97.453 ; J3.110@100.34,97.4 103.24,97.4 104.64,96 106.24,96 107.54,97.3 120.498,97.3 J4.110@120.65,97.453 ; J4.110@120.66,97.4 123.56,97.4 124.96,96 126.56,96 127.86,97.3 140.818,97.3 J5.110@140.97,97.453 ; J5.110@140.98,97.4 143.88,97.4 145.28,96 146.88,96 148.18,97.3 161.138,97.3 J6.110@161.29,97.453 ; J6.110@161.3,97.4 164.2,97.4 165.6,96 167.2,96 168.5,97.3 181.458,97.3 J7.110@181.61,97.453 ; J7.110@181.62,97.4 184.52,97.4 185.92,96 187.52,96 188.82,97.3 201.778,97.3 J8.110@201.93,97.453 ; J8.110@201.94,97.4 204.84,97.4 206.24,96 207.84,96 209.14,97.3 222.098,97.3 J9.110@222.25,97.453 ; J9.110@222.26,97.4 225.16,97.4 226.56,96 228.16,96 229.46,97.3 242.418,97.3 J10.110@242.57,97.453 ; J10.110@242.58,97.4 245.48,97.4 246.88,96 248.48,96 249.78,97.3 262.738,97.3 J11.110@262.89,97.453 ; J11.110@262.9,97.4 265.8,97.4 267.2,96 268.8,96 270.1,97.3 283.058,97.3 J12.110@283.21,97.453 ; J12.110@283.22,97.4 286.12,97.4 287.52,96 289.12,96 290.42,97.3 303.378,97.3 J13.110@303.53,97.453 ; J13.110@303.54,97.4 306.44,97.4 307.84,96 309.44,96 310.74,97.3 323.698,97.3 J14.110@323.85,97.453 ; J14.110@323.86,97.4 326.76,97.4 328.16,96 329.76,96 331.06,97.3 344.018,97.3 J15.110@344.17,97.453 ; J15.110@344.18,97.4 347.08,97.4 348.48,96 350.08,96 351.38,97.3 364.338,97.3 J16.110@364.49,97.453
BUS19: P7.17 U6.7 U11.1A28 | length 159.8
  Top Layer w0.127: P7.17@86,209 86,207.5 86.4,207.1 91.4,207.1 U11.1A28@92.75,205.75
  Bottom Layer w0.127: U6.7@55.8,87.025 54.375,87.025 53.9,87.5 53.9,95.484 53.6,95.784 49.538,95.784 47.328,97.995 47.328,104.354 45.692,105.99 45.692,118.353 43.466,120.579 43.466,150.917 48.972,156.424 51.354,156.424 53.868,158.938 53.868,168.468 86.59,201.19 89.97,201.19 91.75,202.97 91.75,204.7 U11.1A28@92.79,205.74
BUS19_N: J1.112 J2.112 J3.112 J4.112 J5.112 J6.112 J7.112 J8.112 J9.112 J10.112 J11.112 J12.112 J13.112 J14.112 J15.112 J16.112 R20.1 U6.6 | length 338.5
  Top Layer w0.127: R20.1@53.2,96.9 53.2,96.5 53.8,95.9 56.8,95.9 57.767,94.932 J1.112@59.69,94.932
  Bottom Layer w0.127: U6.6@56.5,88.2 57.58,89.28 57.58,92.339 58.408,93.167 58.408,94.6 58.741,94.932 J1.112@59.69,94.932 ; J1.112@59.7,94.9 62.6,94.9 64,93.5 65.6,93.5 66.9,94.8 79.858,94.8 J2.112@80.01,94.952 ; J2.112@80.02,94.9 82.92,94.9 84.32,93.5 85.92,93.5 87.22,94.8 100.178,94.8 J3.112@100.33,94.952 ; J3.112@100.34,94.9 103.24,94.9 104.64,93.5 106.24,93.5 107.54,94.8 120.498,94.8 J4.112@120.65,94.952 ; J4.112@120.66,94.9 123.56,94.9 124.96,93.5 126.56,93.5 127.86,94.8 140.818,94.8 J5.112@140.97,94.952 ; J5.112@140.98,94.9 143.88,94.9 145.28,93.5 146.88,93.5 148.18,94.8 161.138,94.8 J6.112@161.29,94.952 ; J6.112@161.3,94.9 164.2,94.9 165.6,93.5 167.2,93.5 168.5,94.8 181.458,94.8 J7.112@181.61,94.952 ; J7.112@181.62,94.9 184.52,94.9 185.92,93.5 187.52,93.5 188.82,94.8 201.778,94.8 J8.112@201.93,94.952 ; J8.112@201.94,94.9 204.84,94.9 206.24,93.5 207.84,93.5 209.14,94.8 222.098,94.8 J9.112@222.25,94.952 ; J9.112@222.26,94.9 225.16,94.9 226.56,93.5 228.16,93.5 229.46,94.8 242.418,94.8 J10.112@242.57,94.952 ; J10.112@242.58,94.9 245.48,94.9 246.88,93.5 248.48,93.5 249.78,94.8 262.738,94.8 J11.112@262.89,94.952 ; J11.112@262.9,94.9 265.8,94.9 267.2,93.5 268.8,93.5 270.1,94.8 283.058,94.8 J12.112@283.21,94.952 ; J12.112@283.22,94.9 286.12,94.9 287.52,93.5 289.12,93.5 290.42,94.8 303.378,94.8 J13.112@303.53,94.952 ; J13.112@303.54,94.9 306.44,94.9 307.84,93.5 309.44,93.5 310.74,94.8 323.698,94.8 J14.112@323.85,94.952 ; J14.112@323.86,94.9 326.76,94.9 328.16,93.5 329.76,93.5 331.06,94.8 344.018,94.8 J15.112@344.17,94.952 ; J15.112@344.18,94.9 347.08,94.9 348.48,93.5 350.08,93.5 351.38,94.8 364.338,94.8 J16.112@364.49,94.952
BUS19_P: J1.111 J2.111 J3.111 J4.111 J5.111 J6.111 J7.111 J8.111 J9.111 J10.111 J11.111 J12.111 J13.111 J14.111 J15.111 J16.111 R20.2 U6.5 | length 355.9
  Top Layer w0.127: R20.2@56,97.6 57.2,97.6 58.598,96.203 J1.111@62.23,96.203
  Bottom Layer w0.127: U6.5@56.7,89.5 57.3,90.1 57.3,92.4 57.326,92.426 57.326,92.444 58.154,93.272 58.154,96 58.356,96.203 J1.111@62.23,96.203 ; J1.111@62.2,96.2 62.2,95.9 64.3,93.8 65.3,93.8 66.6,95.1 68,95.1 69.123,96.222 J2.111@82.55,96.222 ; J2.111@82.52,96.2 82.52,95.9 84.62,93.8 85.62,93.8 86.92,95.1 88.32,95.1 89.443,96.222 J3.111@102.87,96.222 ; J3.111@102.84,96.2 102.84,95.9 104.94,93.8 105.94,93.8 107.24,95.1 108.64,95.1 109.763,96.222 J4.111@123.19,96.222 ; J4.111@123.16,96.2 123.16,95.9 125.26,93.8 126.26,93.8 127.56,95.1 128.96,95.1 130.083,96.222 J5.111@143.51,96.222 ; J5.111@143.48,96.2 143.48,95.9 145.58,93.8 146.58,93.8 147.88,95.1 149.28,95.1 150.403,96.222 J6.111@163.83,96.222 ; J6.111@163.8,96.2 163.8,95.9 165.9,93.8 166.9,93.8 168.2,95.1 169.6,95.1 170.723,96.222 J7.111@184.15,96.222 ; J7.111@184.12,96.2 184.12,95.9 186.22,93.8 187.22,93.8 188.52,95.1 189.92,95.1 191.043,96.222 J8.111@204.47,96.222 ; J8.111@204.44,96.2 204.44,95.9 206.54,93.8 207.54,93.8 208.84,95.1 210.24,95.1 211.363,96.222 J9.111@224.79,96.222 ; J9.111@224.76,96.2 224.76,95.9 226.86,93.8 227.86,93.8 229.16,95.1 230.56,95.1 231.683,96.222 J10.111@245.11,96.222 ; J10.111@245.08,96.2 245.08,95.9 247.18,93.8 248.18,93.8 249.48,95.1 250.88,95.1 252.003,96.222 J11.111@265.43,96.222 ; J11.111@265.4,96.2 265.4,95.9 267.5,93.8 268.5,93.8 269.8,95.1 271.2,95.1 272.323,96.222 J12.111@285.75,96.222 ; J12.111@285.72,96.2 285.72,95.9 287.82,93.8 288.82,93.8 290.12,95.1 291.52,95.1 292.643,96.222 J13.111@306.07,96.222 ; J13.111@306.04,96.2 306.04,95.9 308.14,93.8 309.14,93.8 310.44,95.1 311.84,95.1 312.963,96.222 J14.111@326.39,96.222 ; J14.111@326.36,96.2 326.36,95.9 328.46,93.8 329.46,93.8 330.76,95.1 332.16,95.1 333.283,96.222 J15.111@346.71,96.222 ; J15.111@346.68,96.2 346.68,95.9 348.78,93.8 349.78,93.8 351.08,95.1 352.48,95.1 353.603,96.222 J16.111@367.03,96.222
BUS20: P7.20 U5.9 U11.1A31 | length 153.8
  Top Layer w0.127: P7.20@88,211 88,210.8 89.1,209.7 89.1,208.162 89.4,207.862 93.156,207.862 93.918,207.1 95,207.1 95.7,206.4 95.7,204.8 U11.1A31@96.75,203.75 U11.1A31@96.8,203.7
  Bottom Layer w0.127: U5.9@51,98.155 51.855,98.155 52.9,99.2 52.9,108.4 52.5,108.8 49.445,108.8 47.587,110.658 47.587,117.536 44.232,120.89 44.232,150.606 49.288,155.662 51.67,155.662 54.63,158.622 54.63,168.152 85.948,199.47 93.89,199.47 96.75,202.33 U11.1A31@96.75,203.72
BUS20_N: J1.104 J2.104 J3.104 J4.104 J5.104 J6.104 J7.104 J8.104 J9.104 J10.104 J11.104 J12.104 J13.104 J14.104 J15.104 J16.104 R21.1 U5.10 | length 348.4
  Top Layer w0.127: R21.1@56,106.7 56.9,106.7 57.833,107.632 J1.104@59.69,107.632
  Bottom Layer w0.127: U5.10@50.1,99.5 49.3,98.7 49.3,97.9 50.1,97.1 56.6,97.1 57.6,98.1 57.6,104.482 58.362,105.244 58.362,107.3 58.695,107.632 J1.104@59.69,107.632 ; J1.104@59.6,107.6 62.5,107.6 63.9,106.2 65.5,106.2 66.8,107.5 79.758,107.5 J2.104@79.91,107.652 ; J2.104@79.92,107.6 82.82,107.6 84.22,106.2 85.82,106.2 87.12,107.5 100.078,107.5 J3.104@100.23,107.652 ; J3.104@100.24,107.6 103.14,107.6 104.54,106.2 106.14,106.2 107.44,107.5 120.398,107.5 J4.104@120.55,107.652 ; J4.104@120.56,107.6 123.46,107.6 124.86,106.2 126.46,106.2 127.76,107.5 140.718,107.5 J5.104@140.87,107.652 ; J5.104@140.88,107.6 143.78,107.6 145.18,106.2 146.78,106.2 148.08,107.5 161.038,107.5 J6.104@161.19,107.652 ; J6.104@161.2,107.6 164.1,107.6 165.5,106.2 167.1,106.2 168.4,107.5 181.358,107.5 J7.104@181.51,107.652 ; J7.104@181.52,107.6 184.42,107.6 185.82,106.2 187.42,106.2 188.72,107.5 201.678,107.5 J8.104@201.83,107.652 ; J8.104@201.84,107.6 204.74,107.6 206.14,106.2 207.74,106.2 209.04,107.5 221.998,107.5 J9.104@222.15,107.652 ; J9.104@222.16,107.6 225.06,107.6 226.46,106.2 228.06,106.2 229.36,107.5 242.318,107.5 J10.104@242.47,107.652 ; J10.104@242.48,107.6 245.38,107.6 246.78,106.2 248.38,106.2 249.68,107.5 262.638,107.5 J11.104@262.79,107.652 ; J11.104@262.8,107.6 265.7,107.6 267.1,106.2 268.7,106.2 270,107.5 282.958,107.5 J12.104@283.11,107.652 ; J12.104@283.12,107.6 286.02,107.6 287.42,106.2 289.02,106.2 290.32,107.5 303.278,107.5 J13.104@303.43,107.652 ; J13.104@303.44,107.6 306.34,107.6 307.74,106.2 309.34,106.2 310.64,107.5 323.598,107.5 J14.104@323.75,107.652 ; J14.104@323.76,107.6 326.66,107.6 328.06,106.2 329.66,106.2 330.96,107.5 343.918,107.5 J15.104@344.07,107.652 ; J15.104@344.08,107.6 346.98,107.6 348.38,106.2 349.98,106.2 351.28,107.5 364.238,107.5 J16.104@364.39,107.652